# Altium PCB PCB1.PcbDoc (part 1 of 2) (continued)
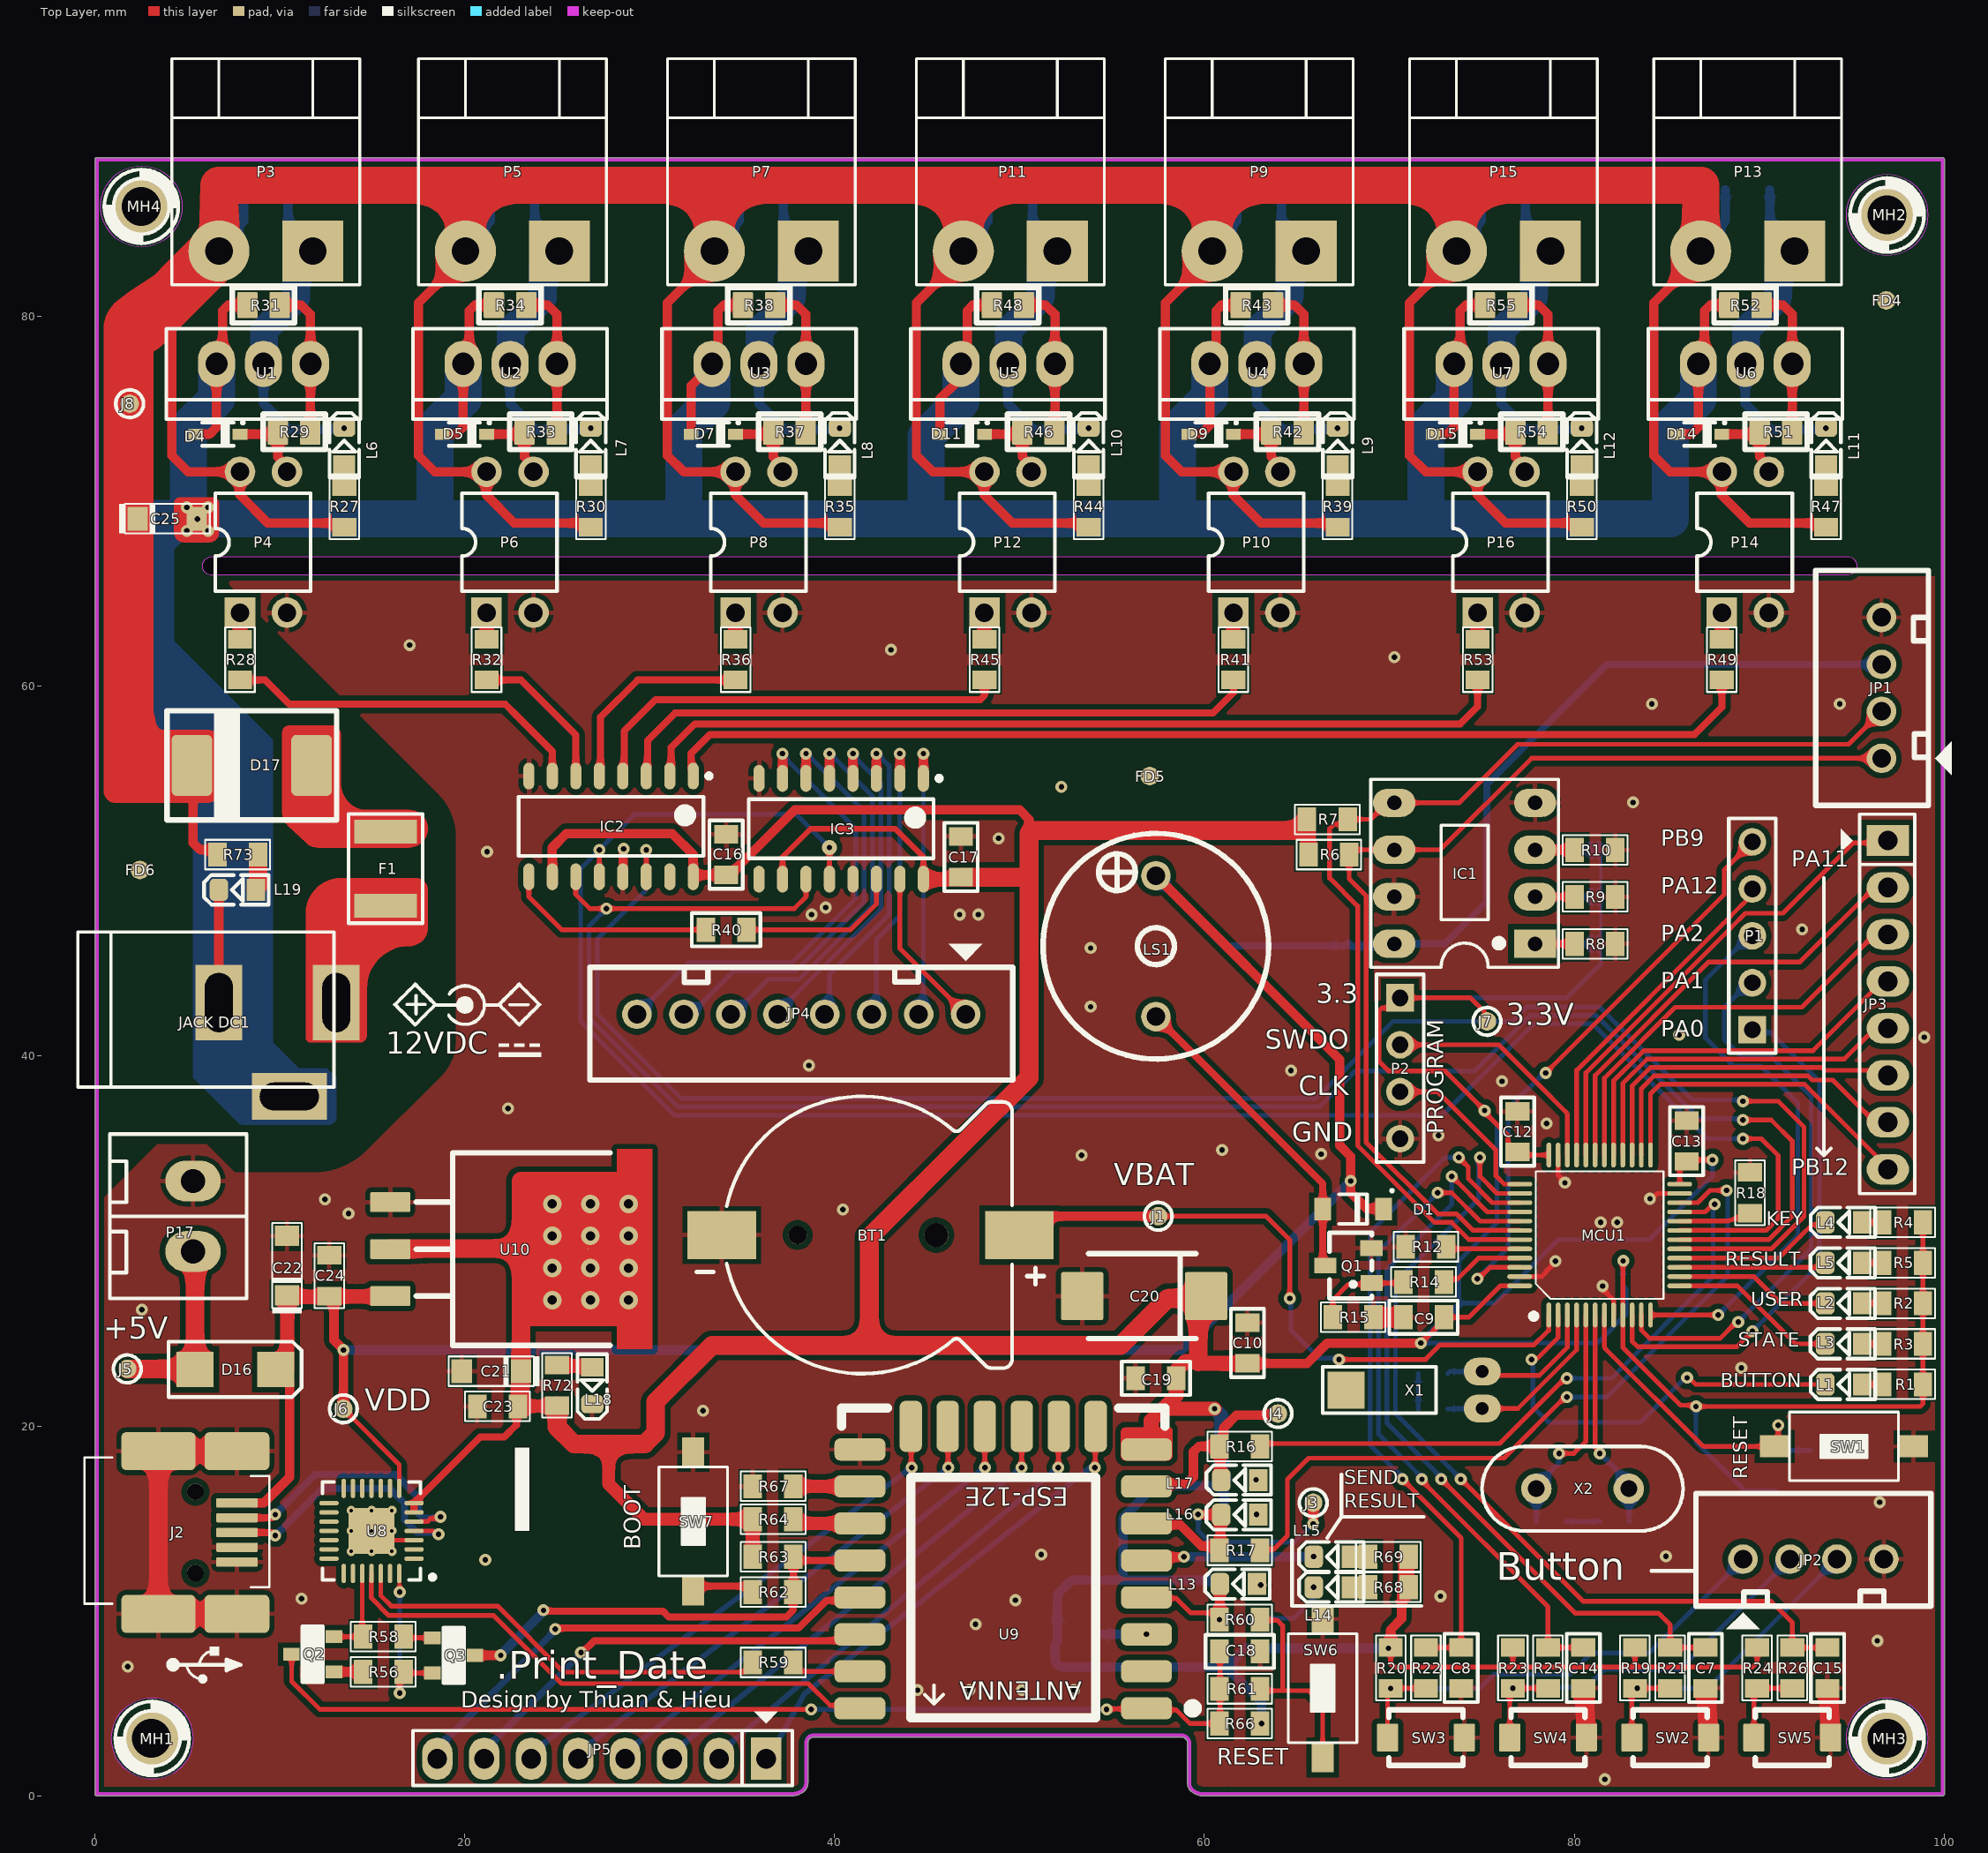
[diagram p0: Top Layer view]
## Components (designator, comment, footprint, x,y, rotation, side; value= is the part's Value field where it differs from the comment) (continued)
P16 "PC817" DIP-4 76.046,67.791 r90 top
P17 "691321300002" TERMINAL_KF2EDGV_F_1X2_3.81 5.307,31.342 r90 top
Q1 "S8050" SOT23B 67.918,28.802 r90 top value=C1815
Q2 "MMBT8050LT1G" SOT23 11.777,7.654 r90 top
Q3 "MMBT8050LT1G" SOT23 19.404,7.593 r270 top
R1 "Resistor" RESC2012L 97.759,22.248 r0 top value=2K7
R2 "Resistor" RESC2012L 97.759,26.63 r0 top value=2K7
R3 "Resistor" RESC2012L 97.759,24.439 r0 top value=2K7
R4 "Resistor" RESC2012L 97.759,31.011 r0 top value=2K7
R5 "Resistor" RESC2012L 97.759,28.821 r0 top value=2K7
R6 "Resistor" RESC2012L 66.732,50.9 r180 top value=10K
R7 "Resistor" RESC2012L 66.648,52.805 r180 top value=10K
R8 "Resistor" RESC2012L 81.126,46.074 r180 top value=10K
R9 "Resistor" RESC2012L 81.126,48.614 r180 top value=10K
R10 "Resistor" RESC2012L 81.126,51.154 r180 top value=10K
R11 "Resistor" RESC2012L 80.284,18.515 r180 bottom value=1M
R12 "Resistor" RESC2012L 71.982,29.691 r180 top value=10K
R13 "Resistor" RESC2012L 90.884,17.58 r270 bottom value=10K
R14 "Resistor" RESC2012L 71.855,27.786 r0 top value=1K
R15 "Resistor" RESC2012L 68.045,25.881 r0 top value=10K
R16 "Resistor" RESC2012L 61.911,18.896 r0 top value=10K
R17 "Resistor" RESC2012L 61.911,13.277 r0 top value=10K
R18 "Resistor" RESC2012L 89.508,32.612 r270 top value=10K
R19 "Resistor" RESC2012L 83.285,6.915 r270 top value=10K
R20 "Resistor" RESC2012L 70.077,6.915 r270 top value=10K
R21 "Resistor" RESC2012L 85.19,6.915 r90 top value=100K
R22 "Resistor" RESC2012L 71.982,6.915 r90 top value=100K
R23 "Resistor" RESC2012L 76.681,6.915 r270 top value=10K
R24 "Resistor" RESC2012L 89.889,6.915 r270 top value=10K
R25 "Resistor" RESC2012L 78.586,6.915 r90 top value=100K
R26 "Resistor" RESC2012L 91.794,6.915 r90 top value=100K
R27 "1K/R0805/1%" RESC2012L 13.485,69.704 r270 top
R28 "1K/R0805/1%" RESC2012L 7.847,61.441 r270 top
R29 "100" "Res 0805 SMD" 10.768,73.76 r180 top
R30 "1K/R0805/1%" RESC2012L 26.82,69.704 r270 top
R31 "100K" "Res 0805 SMD" 9.117,80.618 r0 top
R32 "1K/R0805/1%" RESC2012L 21.182,61.441 r270 top
R33 "100" "Res 0805 SMD" 24.103,73.76 r180 top
R34 "100K" "Res 0805 SMD" 22.452,80.618 r0 top
R35 "1K/R0805/1%" RESC2012L 40.282,69.704 r270 top
R36 "1K/R0805/1%" RESC2012L 34.644,61.441 r270 top
R37 "100" "Res 0805 SMD" 37.565,73.76 r180 top
R38 "100K" "Res 0805 SMD" 35.914,80.618 r0 top
R39 "1K/R0805/1%" RESC2012L 67.206,69.704 r270 top
R40 "10K-0805" RES0805 34.136,46.836 r0 top
R41 "1K/R0805/1%" RESC2012L 61.568,61.441 r270 top
R42 "100" "Res 0805 SMD" 64.489,73.76 r180 top
R43 "100K" "Res 0805 SMD" 62.838,80.618 r0 top
R44 "1K/R0805/1%" RESC2012L 53.744,69.704 r270 top
R45 "1K/R0805/1%" RESC2012L 48.106,61.441 r270 top
R46 "100" "Res 0805 SMD" 51.027,73.76 r180 top
R47 "1K/R0805/1%" RESC2012L 93.622,69.704 r270 top
R48 "100K" "Res 0805 SMD" 49.376,80.618 r0 top
R49 "1K/R0805/1%" RESC2012L 87.984,61.441 r270 top
R50 "1K/R0805/1%" RESC2012L 80.414,69.704 r270 top
R51 "100" "Res 0805 SMD" 90.905,73.76 r180 top
R52 "100K" "Res 0805 SMD" 89.254,80.618 r0 top
R53 "1K/R0805/1%" RESC2012L 74.776,61.441 r270 top
R54 "100" "Res 0805 SMD" 77.697,73.76 r180 top
R55 "100K" "Res 0805 SMD" 76.046,80.618 r0 top
R56 "Resistor" RESC2012L 15.594,6.704 r0 top value=10K-0805
R57 "Resistor" RESC2012L 61.949,11.403 r180 bottom value=470
R58 "Resistor" RESC2012L 15.594,8.609 r180 top value=10K-0805
R59 "Resistor" RESC2012L 36.676,7.212 r0 top value=470
R60 "Resistor" RESC2012L 61.911,9.53 r180 top value=0
R61 "Resistor" RESC2012L 61.911,5.784 r180 top value=470
R62 "Resistor" RESC2012L 36.676,11.022 r0 top value=470
R63 "Resistor" RESC2012L 36.676,12.927 r0 top value=10K
R64 "Resistor" RESC2012L 36.676,14.959 r0 top value=10K
R65 "Resistor" RESC2012L 53.186,8.736 r0 bottom value=10K
R66 "Resistor" RESC2012L 61.911,3.91 r180 top value=10K
R67 "Resistor" RESC2012L 36.676,16.737 r0 top value=10K
R68 "Resistor" RESC2012L 69.95,11.276 r0 top value=1K
R69 "Resistor" RESC2012L 69.95,12.927 r0 top value=1K
R70 "1K/R0805/1%" "Res 0805 SMD" 61.949,15.213 r180 bottom
R71 "1K/R0805/1%" "Res 0805 SMD" 61.949,17.118 r180 bottom
R72 "Resistor" RESC2012L 24.992,22.198 r90 top value=1K5
R73 "Resistor" RESC2012L 7.72,50.9 r180 top value=12K
SB1 "Solderbridge" Solderbridge#1 81.126,46.074 r180 bottom
SB2 "Solderbridge" Solderbridge#2 81.126,48.614 r180 bottom
SB3 "Solderbridge" Solderbridge#1 81.126,51.154 r0 bottom
SW1 "RS-282G05A3-SM RT" "SW_RS-282G05A3-SM RT" 94.588,18.896 r0 top (schematic designator Button1)
SW2 "3x4x2.5 2Pin SMD" "Button 3x4mm" 85.19,3.148 r0 top (schematic designator SW1)
SW3 "3x4x2.5 2Pin SMD" "Button 3x4mm" 71.982,3.148 r0 top (schematic designator SW2)
SW4 "3x4x2.5 2Pin SMD" "Button 3x4mm" 78.586,3.148 r0 top (schematic designator SW3)
SW5 "3x4x2.5 2Pin SMD" "Button 3x4mm" 91.794,3.148 r0 top (schematic designator SW4)
SW6 "RS-282G05A3-SM RT" "SW_RS-282G05A3-SM RT" 66.394,5.815 r270 top (schematic designator SW5)
SW7 "RS-282G05A3-SM RT" "SW_RS-282G05A3-SM RT" 32.358,14.832 r270 top (schematic designator SW6)
U1 "IRF3205" TO-220 9.117,77.443 r180 top
U2 "IRF3205" TO-220 22.452,77.443 r180 top
U3 "IRF3205" TO-220 35.914,77.443 r180 top
U4 "IRF3205" TO-220 62.838,77.443 r180 top
U5 "IRF3205" TO-220 49.376,77.443 r180 top
U6 "IRF3205" TO-220 89.254,77.443 r180 top
U7 "IRF3205" TO-220 76.046,77.443 r180 top
U8 "CP2102" CP2102 14.959,14.324 r180 top
U9 "ESP-12E" ESP-12E 49.122,8.228 r180 top
U10 "LM1086" LM1086 15.975,29.564 r270 top
X1 "AB26T-32.768KHZ" XTAL_THG_32768Hz 75.03,21.944 r90 top
X2 "XTAL_9B-8.000MAAE-B" XTAL_THG_HC49/US 80.451,16.611 r180 top

## Footprints (in the part's own frame and the unit in brackets; to place one, negate y for a bottom-side part, rotate by r counter-clockwise, add the part's x,y. Pads: shape width x height; smd on the part's side, far side on the other; paste and mask are expansions set on the pad)
"Button 3x4mm" [mm] "SMD 3x4mm"
  rrect10% 1.143x1.5 smd: 1(-2.075,0) 2(2.075,0)
  silkscreen extent -2,-1.5 2,1.5, body extent -2.25,-1.55 2.25,1.55, height 2.05
CAP0603 [mm]
  rect 0.65x0.85 smd: 1(-0.8,0) 2(0.8,0)
  silkscreen extent -1.38,-0.67 1.38,0.67, body extent -0.8,-0.4 0.8,0.4, height 0.79
CAP0805 [mm]
  rect 1x1.3 smd: 1(-1.1,0) 2(1.1,0)
  silkscreen extent -1.85,-0.9 1.85,0.9, body extent -1.2,-0.73 1.2,0.73, height 0.65
CAP1206_TANTALUM_YELLOW [mm]
  rect 1.1x1.3 smd: 1(-1.6,0) 2(1.6,0)
  silkscreen extent -2.6,-0.8 2.3,0.8, body extent -1.7,-0.9 1.7,0.9, height 1.75
"CAP TANT CASE X SMD" [mm]
  rrect10% 2.3x2.6 smd mask+0.1: 1(-3.35,0) 2(3.35,0)
  silkscreen extent -2.8,-2.3 3,2.3, body extent -3.65,-2.15 3.65,2.15, height 4
CAPC2012L [mm] "Chip Capacitor, Body 2.0x1.3mm, IPC High Density"
  rect 1x1.3 smd: 1(-1.1,0) 2(1.1,0)
  silkscreen extent -1.75,-0.8 1.75,0.8, body extent -1.19,-0.72 1.21,0.74, height 0.65
CON4 [mm] "CON4"
  round 1.6 hole 1 mask+0.1: 1(-3.81,0) 2(-1.27,0) 3(1.27,0) 4(3.81,0)
  silkscreen extent -6.35,-3.8 6.35,3.56, body extent -6.25,-2.29 6.25,3.41, height 7
CON8 [mm] "CON8"
  round 1.6 hole 1 mask+0.1: 1(-8.89,0) 2(-6.35,0) 3(-3.81,0) 4(-1.27,0) 5(1.27,0) 6(3.81,0) 7(6.35,0) 8(8.89,0)
  silkscreen extent -11.43,-3.8 11.43,3.56, body extent -11.3,-2.29 11.3,3.41, height 7
CP2102 [mm] "QFN, 28-Leads, Body 5.00x5.00mm, Pitch 0.50mm, Thermal Pad 3.13x3.13mm, IPC Medium Density"
  oval 1.05x0.25 smd: 1(-2.3,1.5) 2(-2.3,1) 3(-2.3,0.5) 4(-2.3,0) 5(-2.3,-0.5) 6(-2.3,-1) 7(-2.3,-1.5) 15(2.3,-1.5) 16(2.3,-1) 17(2.3,-0.5) 18(2.3,0) 19(2.3,0.5) 20(2.3,1) 21(2.3,1.5)
  oval 0.25x1.05 smd: 8(-1.5,-2.3) 9(-1,-2.3) 10(-0.5,-2.3) 11(0,-2.3) 12(0.5,-2.3) 13(1,-2.3) 14(1.5,-2.3) 22(1.5,2.3) 23(1,2.3) 24(0.5,2.3) 25(0,2.3) 26(-0.5,2.3) 27(-1,2.3) 28(-1.5,2.3)
  rect 2.5x2.5 smd: 29(0,0)
  silkscreen extent -3.43,-2.65 2.65,2.65, body extent -2.51,-2.51 2.51,2.51, height 0.8
"CR1220_3V BATTERY HOLDER" [mm] "Xtal for RF"
  round 1 hole 1: 0(-3.5,0)
  round 1.3 hole 1.3: 0(4,0)
  rect 3.7x2.6 smd: 1(8.5,0) 2(-7.6,0)
  silkscreen extent -8.95,-7.5 9.81,7.5, body extent -9,-7.35 9.8,7.4, height 4.23
DIO-SOD123-1.35H [mm] "SOD123_1N4148WS"
  rect 0.91x1.22 smd: 1(-1.64,0) 2(1.64,0)
  silkscreen extent -0.75,-0.8 2.15,1.05, body extent -1.85,-0.8 1.85,0.8, height 1.25
DIO-SOD232-1.15H [mm] "SOD323 1.15H SMD (1N4148WS)"
  rect 0.8x0.6 smd: 1(-1.2,0) 2(1.2,0)
  silkscreen extent -0.85,-0.63 1.4,0.67, body extent -1.35,-0.63 1.35,0.62, height 1.1
"DIODE SMD" [mm]
  rect 2x1.9 smd: 1(2.184,-0.102) 2(-2.184,-0.102)
  silkscreen extent -3.58,-1.6 3.61,1.4, body extent -2.67,-1.5 2.82,1.3, height 2.3
DIP8/W0.3 [mil] "8 PIN, W 300mil, Pin to pin 100mil"
  rect 60x90 hole 31: 1(0,0)
  oval 60x90 hole 31: 2(100,0) 3(200,0) 4(300,0) 5(300,300) 6(200,300) 7(100,300) 8(0,300)
  silkscreen extent -50,-50 350,350, body extent -50,-40 350,336, height 201
DIP-4 [mm] "DIP, 4-Pin, Row Spacing 7.62 mm, Pitch 2.54 mm"
  rect 1.65x1.65 hole 1: 1(-3.81,1.27)
  round 1.65 hole 1: 2(-3.81,-1.27) 3(3.81,-1.27) 4(3.81,1.27)
  silkscreen extent -2.65,-2.54 2.65,2.61, body extent -3.94,-2.28 3.94,2.31, height 4.3
DO-214AB/SMC [mm]
  rrect25% 2.2x3.3 smd mask+0.1: 1(-3.238,0) 2(3.238,0)
  silkscreen extent -4.59,-3 4.59,2.95, body extent -4.1,-2.95 3.85,2.95, height 2.2
ESP-12E [mm]
  rrect50% 2.75x1.2 smd: 1(-7.75,3.5) 2(-7.75,1.5) 3(-7.75,-0.5) 4(-7.75,-2.5) 5(-7.75,-4.5) 6(-7.75,-6.5) 7(-7.75,-8.5) 8(-7.75,-10.5) 15(7.75,-10.5) 16(7.75,-8.5) 17(7.75,-6.5) 18(7.75,-4.5) 19(7.75,-2.5) 20(7.75,-0.5) 21(7.75,1.5) 22(7.75,3.5)
  rrect50% 1.2x2.75 smd: 9(-5,-11.75) 10(-3,-11.75) 11(-1,-11.75) 12(1,-11.75) 13(3,-11.75) 14(5,-11.75)
  silkscreen extent -10.5,-12.75 8.75,4, body extent -8.01,-12.01 8.01,12, height 2.66
FIDUCIAL_TOP [mm] "1mm"
  round 1 smd mask+1: 1(0,0)
FUSE_PTC_SMD1812_02 [mm]
  rect 1.3x3.4 smd: 1(-2,0) 2(2,0)
  silkscreen extent -2.95,-2 2.95,2, body extent -2.25,-1.6 2.25,1.6, height 0.91
HC595_SOP127P600X175-16N [mm] "SOP, 16-Leads, Body 9.90x3.90mm, Pitch 1.27mm, IPC Medium Density"
  oval 1.45x0.6 smd: 1(-2.725,4.445) 2(-2.725,3.175) 3(-2.725,1.905) 4(-2.725,0.635) 5(-2.725,-0.635) 6(-2.725,-1.905) 7(-2.725,-3.175) 8(-2.725,-4.445) 9(2.725,-4.445) 10(2.725,-3.175) 11(2.725,-1.905) 12(2.725,-0.635) 13(2.725,0.635) 14(2.725,1.905) 15(2.725,3.175) 16(2.725,4.445)
  silkscreen extent -2.85,-5 1.6,5.42, body extent -3,-5 3,5, height 1.75
HDR1X4 [mm] "Connector; Header; 4 Position"
  rect 1.5x1.5 hole 0.9: 1(0,0)
  round 1.5 hole 0.9: 2(2.54,0) 3(5.08,0) 4(7.62,0)
  silkscreen extent -1.27,-1.27 8.89,1.27, body extent -1.27,-1.27 8.89,1.27, height 7
HDR1X5 [mm] "Connector; Header; 5 Position"
  rect 1.5x1.5 hole 0.9: 1(0,0)
  round 1.5 hole 0.9: 2(2.54,0) 3(5.08,0) 4(7.62,0) 5(10.16,0)
  silkscreen extent -1.27,-1.27 11.43,1.27, body extent -1.27,-1.27 11.43,1.27, height 7
HT508R-2P [mil]
  rect 130x130 hole 59.06: 1(0,0)
  round 130 hole 59.06: 2(200,0)
  silkscreen extent -100,-410 300,72, body extent -97,-403 297,69, height 334
"JACK DC 5.5" [mm] "Jac DC input"
  rect 2.54x4.064 hole 1.5 slot 3.2 at 90 deg: 1(3.175,2.54) 2(-3.175,2.54)
  rect 4.064x2.54 hole 1.5 slot 3.2 at 0 deg: 3(0.635,-2.54)
  silkscreen extent -10.79,-2.03 3.05,6.35, body extent -10.42,-2.67 3.4,6.84, height 11.02
JP8 [mil] "JP8"
  rect 65x90 hole 42: 1(0,0)
  oval 65x90 hole 42: 2(100,0) 3(200,0) 4(300,0) 5(400,0) 6(500,0) 7(600,0) 8(700,0)
  silkscreen extent -56,-100 752,57, body extent -48,-50 748,48, height 323
LED-GREEN-0805 [mm] "GREEN"
  rect 1x1.2 smd mask+0.075: 1(0,0)
  rrect50% 1x1.2 smd mask+0.075: 2(2,0)
  Top Layer pour cut-out: 0.5,0.85 1.5,0.85 1.5,-0.75 0.5,-0.75
  silkscreen extent -0.7,-0.8 2.8,0.8, body extent 0,-0.63 2,0.63, height 0.7
LED-RED-0805 [mm]
  rect 1x1.2 smd mask+0.075: 1(0,0)
  rrect50% 1x1.2 smd mask+0.075: 2(2,0)
  Top Layer pour cut-out: 0.5,0.85 1.5,0.85 1.5,-0.75 0.5,-0.75
  silkscreen extent -0.7,-0.8 2.8,0.8, body extent 0,-0.63 2,0.63, height 0.7
LM1086 [mm] "TO-263 1.5A Low Dropout Positive Regulators"
  rrect10% 1.07x2.16 smd mask+0.1: 1(-2.54,0) 2(0,0) 3(2.54,0)
  round 0.025 smd: 4(0,10.675)
  Top Layer region: -5.4,14.17 5.4,14.17 5.4,12.26 4.165,12.26 4.165,7.18 -4.165,7.18 -4.165,12.26 -5.4,12.26
  silkscreen extent -5.21,1.4 5.21,11.88, body extent -5,-1.15 5,14.52, height 4.78
LQFP48_L [mm] "Thin QFP, 48-Leads, Body 7x7mm, Pitch 0.5mm, IPC High Density-stm32f103c8t6"
  oval 0.25x1.35 smd: 1(-2.75,-4.325) 2(-2.25,-4.325) 3(-1.75,-4.325) 4(-1.25,-4.325) 5(-0.75,-4.325) 6(-0.25,-4.325) 7(0.25,-4.325) 8(0.75,-4.325) 9(1.25,-4.325) 10(1.75,-4.325) 11(2.25,-4.325) 12(2.75,-4.325) 25(2.75,4.325) 26(2.25,4.325) 27(1.75,4.325) 28(1.25,4.325) 29(0.75,4.325) 30(0.25,4.325) 31(-0.25,4.325) 32(-0.75,4.325) 33(-1.25,4.325) 34(-1.75,4.325) 35(-2.25,4.325) 36(-2.75,4.325)
  oval 1.35x0.25 smd: 13(4.325,-2.75) 14(4.325,-2.25) 15(4.325,-1.75) 16(4.325,-1.25) 17(4.325,-0.75) 18(4.325,-0.25) 19(4.325,0.25) 20(4.325,0.75) 21(4.325,1.25) 22(4.325,1.75) 23(4.325,2.25) 24(4.325,2.75) 37(-4.325,2.75) 38(-4.325,2.25) 39(-4.325,1.75) 40(-4.325,1.25) 41(-4.325,0.75) 42(-4.325,0.25) 43(-4.325,-0.25) 44(-4.325,-0.75) 45(-4.325,-1.25) 46(-4.325,-1.75) 47(-4.325,-2.25) 48(-4.325,-2.75)
  silkscreen extent -3.87,-4.69 3.45,3.45, body extent -4.5,-4.5 4.5,4.5, height 1.55
MH_3MMD_2.1MMD#1 [mm]
  round 3 hole 2.1: 1(-0.048,0)
  Keep-Out Layer pour cut-out: 0,-2.2 -0.842,-2.033 -1.556,-1.556 -2.033,-0.842 -2.2,0 -2.2,0 -2.033,0.842 -1.556,1.556 -0.842,2.033 0,2.2 0,2.2 0.842,2.033 1.556,1.556 2.033,0.842 2.2,0 2.2,0 2.033,-0.842 1.556,-1.556 0.842,-2.033 0,-2.2
  silkscreen extent -2,-2 2,2
MH_3MMD_2.1MMD#2 [mm]
  round 3 hole 2.1: 1(0,0)
  Keep-Out Layer pour cut-out: 0,-2.2 -0.842,-2.033 -1.556,-1.556 -2.033,-0.842 -2.2,0 -2.2,0 -2.033,0.842 -1.556,1.556 -0.842,2.033 0,2.2 0,2.2 0.842,2.033 1.556,1.556 2.033,0.842 2.2,0 2.2,0 2.033,-0.842 1.556,-1.556 0.842,-2.033 0,-2.2
  silkscreen extent -2,-2 2,2
RES0805 [mm]
  rect 1x1.3 smd: 1(-1.1,0) 2(1.1,0)
  silkscreen extent -1.85,-0.9 1.85,0.9, body extent -0.99,-0.62 1.01,0.63, height 0.45
"Res 0805 SMD" [mm] "Reflow Soldering"
  rrect10% 1.1x1.4 smd mask+0.1: 1(-0.875,0) 2(0.875,0)
  silkscreen extent -1.69,-0.97 1.67,0.96, body extent -1,-0.62 1,0.63, height 0.62
RESC2012L [mm] "Chip Resistor, Body 2.0x1.3mm, IPC High Density"
  rect 1x1.3 smd: 1(-1.1,0) 2(1.1,0)
  silkscreen extent -1.75,-0.8 1.75,0.8, body extent -0.99,-0.62 1.01,0.63, height 0.45
Solderbridge#1 [mm]
  round 0.2 smd paste-10: 1(-0.312,0) 2(0.312,0)
  Top Layer region: -0.077,-0.432 -0.152,-0.505 -0.271,-0.467 -0.335,-0.424 -0.409,-0.351 -0.462,-0.292 -0.521,-0.193 -0.549,-0.099 -0.544,0.122 -0.518,0.193 -0.434,0.33 -0.351,0.411 -0.259,0.469 -0.157,0.5 -0.107,0.483 -0.077,0.43
  Top Layer region: 0.077,0.432 0.152,0.505 0.271,0.467 0.335,0.424 0.409,0.351 0.462,0.292 0.521,0.193 0.549,0.099 0.544,-0.122 0.518,-0.193 0.434,-0.33 0.351,-0.411 0.259,-0.469 0.157,-0.5 0.107,-0.483 0.077,-0.43
  Top Layer lines w0.152: 0.153,-0.431 ccw(c0.042,0) 0.478,-0.088 ccw(c0.042,0) 0.487,-0.006 ccw(c0.042,0) 0.383,0.286 ccw(c0.042,0) 0.153,0.431 ; -0.153,-0.431 cw(c-0.042,0) -0.304,-0.359 cw(c-0.042,0) -0.312,-0.353 cw(c-0.042,0) -0.312,0.353 cw(c-0.042,0) -0.304,0.359 cw(c-0.042,0) -0.153,0.431
Solderbridge#2 [mm]
  round 0.2 smd paste-10: 1(-0.312,0) 2(0.312,0)
  Top Layer region: -0.077,-0.432 -0.152,-0.505 -0.271,-0.467 -0.335,-0.424 -0.409,-0.351 -0.462,-0.292 -0.521,-0.193 -0.549,-0.099 -0.544,0.122 -0.518,0.193 -0.434,0.33 -0.351,0.411 -0.259,0.469 -0.157,0.5 -0.107,0.483 -0.077,0.43
  Top Layer region: 0.077,0.432 0.152,0.505 0.271,0.467 0.335,0.424 0.409,0.351 0.462,0.292 0.521,0.193 0.549,0.099 0.544,-0.122 0.518,-0.193 0.434,-0.33 0.351,-0.411 0.259,-0.469 0.157,-0.5 0.107,-0.483 0.077,-0.43
  Top Layer lines w0.152: 0.153,-0.431 ccw(c0.042,0) 0.478,-0.088 ccw(c0.042,0) 0.487,-0.006 ccw(c0.042,0) 0.383,0.286 ccw(c0.042,0) 0.153,0.431 ; -0.153,-0.431 cw(c-0.042,0) -0.312,-0.353 cw(c-0.042,0) -0.363,0.308 cw(c-0.042,0) -0.312,0.353 cw(c-0.042,0) -0.153,0.431
SOT23 [mm] "SOT 23 _ 1-3-2"
  rect 0.7x0.9 smd: 1(-0.95,-1.15) 2(0.95,-1.15) 3(0,1.15)
  silkscreen extent -1.5,-0.55 1.5,0.55, body extent -1.5,-1.28 1.5,1.22, height 1.06
SOT23B [mm] "SOT 23B"
  rect 0.85x1.2 smd: 1(-1.077,-1.123) 2(-0.127,1.377) 3(0.813,-1.118)
  silkscreen extent -1.91,-1.14 1.65,1.14, body extent -1.63,-1.17 1.37,1.33, height 1.06
SPEAKER [mm] "TMB12A05"
  round 1.6 hole 1 mask+0.1: 1(0,0) 2(7.62,0)
  silkscreen extent -2.29,-6.1 9.91,6.1, body extent -3,-7 11,7, height 7.35
"SW_RS-282G05A3-SM RT" [mm]
  rect 1.6x1.2 smd: 1(-3.75,0) 2(3.75,0)
  silkscreen extent -2.95,-1.85 2.95,1.85, body extent -4,-1.8 4,1.8, height 2.5
TERMINAL_KF2EDGV_F_1X2_3.81 [mm] "WURTH: 691321300002"
  oval 2.2x3 hole 1.3: 1(-1.905,0) 2(1.905,0)
  silkscreen extent -4.44,-2.9 4.44,4.5, body extent -4.4,-2.78 4.4,4.42, height 9.25
TEST_POINT_1.0X1.0MM#1 [mm]
  round 1 smd paste+0: 1(0,0)
  silkscreen extent -0.75,-0.75 0.75,0.75
TEST_POINT_1.0X1.0MM#2 [mm]
  round 1 smd: 1(0,0)
  silkscreen extent -0.75,-0.75 0.75,0.75
TO-220 [mm]
  oval 2x2.5 hole 1.2: 1(-2.54,0) 2(0,0) 3(2.54,0)
  silkscreen extent -5.25,-1.91 5.25,3, body extent -4.96,-2.13 4.94,2.37, height 8.08
USB_Mini-B_Molex_SMT [mm]
  rrect25% 0.5x2.25 smd: 1(-1.6,2.125) 2(-0.8,2.125) 3(0,2.125) 4(0.8,2.125) 5(1.6,2.125)
  round 0.9 hole 0.9 unplated: H1(-2.2,-0.125) H2(2.2,-0.125)
  rrect25% 2.05x4 smd: MH1(4.4,-2.125) MH4(-4.4,-2.125)
  rrect25% 2.05x3.5 smd: MH2(4.4,2.125) MH3(-4.4,2.125)
  silkscreen extent -4.05,-6.12 3.85,3.88, body extent -4.95,-6 4.95,3.2, height 4.15
XTAL_THG_32768Hz [mm]
  rect 2x2 smd: 0(0,7.375)
  oval 1.5x2 hole 0.7: 1(-1,0) 2(1,0)
  silkscreen extent -1.25,2.5 1.25,8.62, body extent -1,-0.12 1,7.02, height 2.1
XTAL_THG_HC49/US [mm]
  round 1.65 hole 0.9: 1(-2.5,0.001) 2(2.5,0.001)
  silkscreen extent -5.44,-2.29 5.44,2.29, body extent -5.75,-2.5 5.75,2.5, height 3.25

## Part data
BT1: "Multicell Battery", LatestRevisionDate=17-Jul-2002, LatestRevisionNote="Re-released for DXP Platform.", PackageReference=BAT-2, Published=24-Mar-1999, Publisher="Altium Limited"
C1 C6 C7 C8 C9 C10 C11 C12 C13 C14 C15 C16 C17 C18 C19: library part CC0805JRNPO9BN200, "Multilayer Ceramic Capacitors MLCC - SMD/SMT 20pF 50V NPO 5%", Capacitance="20 pF", Case Code - in=0805, Case Code - mm=2012, Dielectric="C0G (NP0)", Manufacturer=Yageo, Maximum Operating Temperature="+ 125 C", Minimum Operating Temperature="- 55 C", Package / Case="0805 (2012 metric)", Supplier Part Number 1=603-CC805JRNPO9BN200, Tolerance="5 %", Voltage Rating DC="50 VDC", Brand=Yageo, Category="Multilayer Ceramic Capacitors MLCC - SMD/SMT", Class="Class 1", ComponentLink1Description=http://www.mouser.com/datasheet/2/447/UPY-GP_NP0_16V-to-50V_16-1109089.pdf, ComponentLink1URL=http://www.mouser.com/datasheet/2/447/UPY-GP_NP0_16V-to-50V_16-1109089.pdf, Length="2 mm", Manufacturer Part Number=CC0805JRNPO9BN200, Minimum Order Quantity=1, Packaging="Cut Tape", Pricing 1="1=0.100, 10=0.040, 100=0.018, 1000=0.014, 4000=0.013 (USD)", Product="General Type MLCCs", Product Type="Ceramic Capacitors", Reeling=True, RoHS="RoHS Compliant By Exemption", RoHS - Mouser=E, Series=CC, Standard Pack Qty=4000, Stock 1=0, Subcategory=Capacitors, Supplier 1=Mouser, Termination=Standard, Termination Style=SMD/SMT, Type="General Purpose Surface-Mount Ceramic Multilayer Capacitor", Width="1.25 mm"
C2 C3 C4 C5: library part CC0603JRNPO9BN200, "CAP CER 20PF 50V C0G/NPO 0603", Capacitance=20pF, Manufacturer 1=Yageo, Operating Temperature="-55°C ~ 125°C", Package / Case="0603 (1608 Metric)", Ratings=-, Supplier Part Number 1=311-1424-1-ND, Temperature Coefficient="C0G, NP0", Tolerance=±5%, Voltage - Rated=50V, Applications="General Purpose", Category 1=Capacitors, ComponentLink1Description=http://www.yageo.com/documents/recent/UPY-GP_NP0_16V-to-50V_16.pdf, ComponentLink1URL=http://www.yageo.com/documents/recent/UPY-GP_NP0_16V-to-50V_16.pdf, Description 1="CAP CER 20PF 50V C0G/NPO 0603", Failure Rate=-, Features=-, Height - Seated (Max)=-, Lead Spacing=-, Lead Style=-, Manufacturer Part Number 1=CC0603JRNPO9BN200, Mounting Type="Surface Mount, MLCC", Packaging="Cut Tape (CT)", Part Status=Active, Pricing 1="1=0.1, 10=0.037, 100=0.0164, 500=0.01172, 1000=0.0092 (USD)", RoHS 1="RoHS Compliant", Size / Dimension="0.063\" L x 0.031\" W (1.60mm x 0.80mm)", Stock 1=67895, Supplier 1=Digi-Key, Thickness (Max)="0.035\" (0.90mm)"
C20: library part "100uF/6.3V/SIZE B/20%", "CAP TANT 100UF 6.3V 20% 1411", Capacitance=100µF, ESR (Equivalent Series Resistance)="3 Ohm", Lifetime @ Temp.="2000 Hrs @ 85°C", Manufacturer=Kemet, Manufacturer Part Number=T491B107M006AT, Manufacturer Size Code=B, Operating Temperature="-55°C ~ 125°C", Package / Case="1411 (3528 Metric)", Supplier Part Number 1=399-3710-1-ND, Tolerance=±20%, Voltage - Rated=6.3V, Category=Capacitors, ComponentLink1Description=http://www.kemet.com/Lists/ProductCatalog/Attachments/254/KEM_T2005_T491.pdf, ComponentLink1URL=http://www.kemet.com/Lists/ProductCatalog/Attachments/254/KEM_T2005_T491.pdf, Features="General Purpose", Height - Seated (Max)="0.083\" (2.10mm)", Lead Spacing=-, Mounting Type="Surface Mount", Packaging="Cut Tape (CT)", RoHS="RoHS Compliant", Size / Dimension="0.138\" L x 0.110\" W (3.50mm x 2.80mm)", Supplier 1=Digi-Key, Type=Molded